# Allegro board S071AA-0413-20260427.brd

Outline 292.64 x 429.26 mm; copper layers: TOP, L02_DGND, L03_DIG, L04_DGND, L05_DIG, L06_DGND, L07_DIG, L08_DGND, L09_DPS, L10_DGND, L11_DPS, L12_DGND, L13_CBIT, L14_5V, L15_DGND, L16_DPS, L17_DGND, L18_DIG, L19_DGND, L20_DIG, L21_DGND, L22_DIG, L23_DGND, L24_DIG, L25_DGND, BOTTOM. Coordinates in mm from the lower left corner of the outline.

## Placement (name value [footprint] x y rotation side)
BDB4  BD120-3A-S8  [FB0805]  17.8 140.46 180 bottom
BDB5  BD120-3A-S8  [FB0805]  142.51 263.88 180 bottom
BDB6  BD120-3A-S8  [FB0805]  175.3 247.77 180 bottom
BDB7  BD120-3A-S8  [FB0805]  192.18 233.42 180 bottom
BDB8  BD120-3A-S8  [FB0805]  189.46 211.4 180 bottom
BDB9  BD120-3A-S8  [FB0805]  188.62 176.29 180 bottom
BDB10  BD120-3A-S8  [FB0805]  162.21 175.22 180 bottom
BDB13  BD120-3A-S8  [FB0805]  63.77 269.13 180 bottom
BDB14  BD120-3A-S8  [FB0805]  60.72 250.95 180 bottom
BDB15  BD120-3A-S8  [FB0805]  63.77 266.34 180 bottom
BDB16  BD120-3A-S8  [FB0805]  60.72 248.16 180 bottom
BDB17  BD120-3A-S8  [FB0805]  162.21 172.43 180 bottom
BDB18  BD120-3A-S8  [FB0805]  188.62 179.08 180 bottom
BDB19  BD120-3A-S8  [FB0805]  276.88 285.24 180 bottom
BDB20  BD120-3A-S8  [FB0805]  278.4 130.3 180 bottom
BDB21  BD120-3A-S8  [FB0805]  278.4 133.1 180 bottom
BDB22  BD120-3A-S8  [FB0805]  107.34 283.04 180 bottom
BDB23  BD120-3A-S8  [FB0805]  107.34 285.83 180 bottom
BDB24  BD120-3A-S8  [FB0805]  123.91 255.95 180 bottom
BDB25  BD120-3A-S8  [FB0805]  123.91 258.74 180 bottom
BDB26  BD120-3A-S8  [FB0805]  137.48 248.16 180 bottom
BDB27  BD120-3A-S8  [FB0805]  137.48 245.36 180 bottom
BDB28  BD120-3A-S8  [FB0805]  113.41 271.67 180 bottom
BDB29  BD120-3A-S8  [FB0805]  113.41 268.87 180 bottom
BDB30  BD120-3A-S8  [FB0805]  44.72 271.53 180 bottom
BDB31  BD120-3A-S8  [FB0805]  44.72 274.32 180 bottom
BDB32  BD120-3A-S8  [FB0805]  23.38 216.41 0 bottom
BDB33  BD120-3A-S8  [FB0805]  23.38 219.2 0 bottom
BDB34  BD120-3A-S8  [FB0805]  233.41 270.37 180 bottom
BDB35  BD120-3A-S8  [FB0805]  233.41 267.57 180 bottom
BDB36  BD120-3A-S8  [FB0805]  233.11 210.8 180 bottom
BDB37  BD120-3A-S8  [FB0805]  233.11 208.01 180 bottom
BDB38  BD120-3A-S8  [FB0805]  142.51 266.67 180 bottom
BDB39  BD120-3A-S8  [FB0805]  175.3 250.56 180 bottom
BDB40  BD120-3A-S8  [FB0805]  192.18 236.22 180 bottom
BDB41  BD120-3A-S8  [FB0805]  189.46 214.19 180 bottom
BDB42  BD120-3A-S8  [FB0805]  276.88 282.45 180 bottom
BDB43  BD120-3A-S8  [FB0805]  17.8 143.26 180 bottom
BDB44  BD120-3A-S8  [FB0805]  16.78 284.99 180 bottom
BDB45  BD120-3A-S8  [FB0805]  16.78 282.19 180 bottom
BGA289-12X12-P0.65  REF-CODE-SOCKET  [SOCKET_CODE]  231.41 215.9 0 top
C1  0.01U-16-X7R-S4-YA  [C0402]  178.87 202.62 270 bottom
C2  3.3U-10-X-S4-TDK  [C0402]  176.52 218.6 0 bottom
C3  10U-25-X7R-SA  [C1206]  234.71 279.15 180 bottom
C4  NC/10U-25-X7R-SA  [C1206]  239.79 279.15 0 bottom
C5  22U-16-X-SB  [C1210]  234.2 283.21 180 bottom
C6  NC/47U-16-X5R-SB-MU  [C1210]  240.3 288.29 0 bottom
C7  NC/100U-10-X5R-SB-MU  [C1210]  234.2 288.29 180 bottom
C8  NC/22U-16-X-SB  [C1210]  240.3 283.21 0 bottom
C9  0.1U-16-X-S2-TDK  [C0201]  177.6 202.69 270 bottom
C10  0.1U-16-X-S2-TDK  [C0201]  148.72 210.23 0 bottom
C11  0.1U-16-X-S2-TDK  [C0201]  143.92 210.23 180 bottom
C12  0.1U-16-X-S2-TDK  [C0201]  147.08 211.84 180 bottom
C13  0.1U-16-X-S2-TDK  [C0201]  145.52 210.23 0 bottom
C14  0.1U-16-X-S2-TDK  [C0201]  147.12 212.63 180 bottom
C15  0.1U-16-X-S2-TDK  [C0201]  145.45 211.84 0 bottom
C16  0.1U-16-X-S2-TDK  [C0201]  145.52 212.63 0 bottom
C17  0.1U-16-X-S2-TDK  [C0201]  142.32 210.23 0 bottom
C18  0.1U-16-X-S2-TDK  [C0201]  141.92 211.43 90 bottom
C19  0.1U-16-X-S2-TDK  [C0201]  148.32 213.83 90 bottom
C20  0.1U-16-X-S2-TDK  [C0201]  155.61 211.84 0 bottom
C21  0.1U-16-X-S2-TDK  [C0201]  141.92 215.43 90 bottom
C22  0.1U-16-X-S2-TDK  [C0201]  155.61 212.6 0 bottom
C23  0.1U-16-X-S2-TDK  [C0201]  155.61 213.36 0 bottom
C24  0.1U-16-X-S2-TDK  [C0201]  155.61 211.07 0 bottom
C25  0.1U-16-X-S2-TDK  [C0201]  150.32 211.03 180 bottom
C26  0.1U-16-X-S2-TDK  [C0201]  150.32 212.63 180 bottom
C27  0.1U-16-X-S2-TDK  [C0201]  150.32 210.23 180 bottom
C28  0.1U-16-X-S2-TDK  [C0201]  147.12 210.23 180 bottom
C29  0.1U-16-X-S2-TDK  [C0201]  150.32 211.83 180 bottom
C30  0.1U-16-X-S2-TDK  [C0201]  141.92 213.83 270 bottom
C31  0.1U-16-X-S2-TDK  [C0201]  141.92 217.03 270 bottom
C32  0.1U-16-X-S2-TDK  [C0201]  149.52 219.03 180 bottom
C33  0.1U-16-X-S2-TDK  [C0201]  141.92 218.63 90 bottom
C34  0.1U-16-X-S2-TDK  [C0201]  150.72 218.63 270 bottom
C35  0.1U-16-X-S2-TDK  [C0201]  147.92 219.03 0 bottom
C36  0.1U-16-X-S2-TDK  [C0201]  144.72 219.03 0 bottom
C37  0.1U-16-X-S2-TDK  [C0201]  143.12 219.03 180 bottom
C38  0.1U-16-X-S2-TDK  [C0201]  144.32 215.43 270 bottom
C39  0.1U-16-X-S2-TDK  [C0201]  147.52 213.83 90 bottom
C40  0.1U-16-X-S2-TDK  [C0201]  143.92 212.63 180 bottom
C41  0.1U-16-X-S2-TDK  [C0201]  145.12 213.83 90 bottom
C42  0.1U-16-X-S2-TDK  [C0201]  144.32 213.83 90 bottom
C43  0.1U-16-X-S2-TDK  [C0201]  143.92 216.63 180 bottom
C44  0.1U-16-X-S2-TDK  [C0201]  148.32 215.43 270 bottom
C45  0.1U-16-X-S2-TDK  [C0201]  148.72 216.63 0 bottom
C46  0.1U-16-X-S2-TDK  [C0201]  147.12 215.83 180 bottom
C47  0.1U-16-X-S2-TDK  [C0201]  147.12 216.63 180 bottom
C48  0.1U-16-X-S2-TDK  [C0201]  145.52 215.83 0 bottom
C49  0.1U-16-X-S2-TDK  [C0201]  145.52 216.63 0 bottom
C50  10U-25-X7R-SA  [C1206]  128.03 279.15 0 bottom
C51  NC/10U-25-X7R-SA  [C1206]  122.95 279.15 180 bottom
C52  22U-16-X-SB  [C1210]  128.54 283.21 0 bottom
C53  NC/47U-16-X5R-SB-MU  [C1210]  128.54 288.29 0 bottom
C54  NC/100U-10-X5R-SB-MU  [C1210]  122.44 288.29 180 bottom
C55  NC/22U-16-X-SB  [C1210]  122.44 283.21 180 bottom
C56  10U-25-X7R-SA  [C1206]  150.89 279.15 0 bottom
C57  22U-16-X-SB  [C1210]  151.4 283.21 0 bottom
C58  NC/10U-25-X7R-SA  [C1206]  145.81 279.15 180 bottom
C59  NC/47U-16-X5R-SB-MU  [C1210]  151.4 288.29 0 bottom
C60  NC/100U-10-X5R-SB-MU  [C1210]  145.3 288.29 180 bottom
C61  NC/22U-16-X-SB  [C1210]  145.3 283.21 180 bottom
C62  10U-25-X7R-SA  [C1206]  49.29 279.15 0 bottom
C63  22U-16-X-SB  [C1210]  49.8 283.21 0 bottom
C64  NC/10U-25-X7R-SA  [C1206]  44.21 279.15 180 bottom
C65  NC/47U-16-X5R-SB-MU  [C1210]  49.8 288.29 0 bottom
C66  NC/100U-10-X5R-SB-MU  [C1210]  43.7 288.29 180 bottom
C67  NC/22U-16-X-SB  [C1210]  43.7 283.21 180 bottom
C68  10U-25-X7R-SA  [C1206]  95.01 279.15 180 bottom
C69  22U-16-X-SB  [C1210]  94.5 283.21 180 bottom
C70  NC/10U-25-X7R-SA  [C1206]  100.09 279.15 0 bottom
C71  NC/47U-16-X5R-SB-MU  [C1210]  100.6 288.29 0 bottom
C72  NC/100U-10-X5R-SB-MU  [C1210]  94.5 288.29 180 bottom
C73  NC/22U-16-X-SB  [C1210]  100.6 283.21 0 bottom
C74  10U-25-X7R-SA  [C1206]  176.29 279.15 0 bottom
C75  22U-16-X-SB  [C1210]  176.8 283.21 0 bottom
C76  NC/10U-25-X7R-SA  [C1206]  171.21 279.15 180 bottom
C77  NC/47U-16-X5R-SB-MU  [C1210]  176.8 288.29 0 bottom
C78  NC/100U-10-X5R-SB-MU  [C1210]  170.7 288.29 180 bottom
C79  NC/22U-16-X-SB  [C1210]  170.7 283.21 180 bottom
C80  22U-16-X-SB  [C1210]  207.28 283.21 0 bottom
C81  10U-25-X7R-SA  [C1206]  206.77 279.15 0 bottom
C82  NC/10U-25-X7R-SA  [C1206]  201.69 279.15 180 bottom
C83  NC/47U-16-X5R-SB-MU  [C1210]  207.28 288.29 0 bottom
C84  NC/100U-10-X5R-SB-MU  [C1210]  201.18 288.29 180 bottom
C85  NC/22U-16-X-SB  [C1210]  201.18 283.21 180 bottom
CB1  0.1U-25-X-S6  [C0603]  85.09 132.84 270 bottom
CB2  10U-25-X7R-SA  [C1206]  22.88 297.94 270 bottom
CB3  0.1U-25-X-S6  [C0603]  191.53 134.37 270 bottom
CB4  10U-25-X7R-SA  [C1206]  193.84 133.86 270 bottom
CB5  0.1U-25-X-S6  [C0603]  263.16 289.98 270 bottom
CB6  10U-25-X7R-SA  [C1206]  265.47 289.47 270 bottom
CB7  0.1U-25-X-S6  [C0603]  20.57 298.45 270 bottom
CB8  10U-25-X7R-SA  [C1206]  87.39 132.33 270 bottom
CSDPS225  V93K_CSDPS_DPS32  [PG_VG93K_PF_DPS32_G8D225]  109.49 331.47 0 top
CSDPS226  V93K_CSDPS  [PG_VG93K_PF_DPS32_G8D226]  109.49 351.79 0 top
CSDPS229  V93K_CSDPS_DPS32  [PG_VG93K_PF_DPS32_G8D229]  35.83 331.47 0 top
CSDPS425  V93K_CSDPS_DPS32  [PG_VG93K_PF_DPS32_G8D425]  109.49 341.63 0 top
CSDPS426  V93K_CSDPS  [PG_VG93K_PF_DPS32_G8D426]  109.49 361.95 0 top
CSDPS429  V93K_CSDPS_DPS32  [PG_VG93K_PF_DPS32_G8D429]  35.83 341.63 0 top
D101  V93K_CH  [PG_VG93K_F_G1D101]  183.15 97.79 0 top
D102  V93K_CH  [PG_VG93K_F_G1D102]  183.15 77.47 0 top
D103  V93K_CH  [PG_VG93K_F_G1D103]  183.15 57.15 0 top
D104  V93K_CH  [PG_VG93K_F_G1D104]  183.15 36.83 0 top
D105  V93K_CH  [PG_VG93K_F_G1D105]  256.81 97.79 0 top
D106  V93K_CH  [PG_VG93K_F_G1D106]  256.81 77.47 0 top
D107  V93K_CH  [PG_VG93K_F_G1D107]  256.81 57.15 0 top
D108  V93K_CH  [PG_VG93K_F_G1D108]  256.81 36.83 0 top
D109  V93K_CH  [PG_VG93K_F_G2D109]  256.81 331.47 0 top
D110  V93K_CH  [PG_VG93K_F_G2D110]  256.81 351.79 0 top
D111  V93K_CH  [PG_VG93K_F_G2D111]  256.81 372.11 0 top
D112  V93K_CH  [PG_VG93K_F_G2D112]  256.81 392.43 0 top
D113  V93K_CH  [PG_VG93K_F_G2D113]  183.15 331.47 0 top
D114  V93K_CH  [PG_VG93K_F_G2D114]  183.15 351.79 0 top
D115  V93K_CH  [PG_VG93K_F_G2D115]  183.15 372.11 0 top
D116  V93K_CH  [PG_VG93K_F_G2D116]  183.15 392.43 0 top
D117  V93K_CH  [PG_VG93K_F_G3D117]  35.83 97.79 0 top
D118  V93K_CH  [PG_VG93K_F_G3D118]  35.83 77.47 0 top
D119  V93K_CH  [PG_VG93K_F_G3D119]  35.83 57.15 0 top
D120  V93K_CH  [PG_VG93K_F_G3D120]  35.83 36.83 0 top
D121  V93K_CH  [PG_VG93K_F_G3D121]  109.49 97.79 0 top
D122  V93K_CH  [PG_VG93K_F_G3D122]  109.49 77.47 0 top
D123  V93K_CH  [PG_VG93K_F_G3D123]  109.49 57.15 0 top
D124  V93K_CH  [PG_VG93K_F_G3D124]  109.49 36.83 0 top
D227  V93K_CH  [PG_VG93K_F_G8D227]  109.49 372.11 0 top
D228  V93K_CH  [PG_VG93K_F_G8D228]  109.49 392.43 0 top
D231  V93K_CH  [PG_VG93K_F_G8D231]  35.83 372.11 0 top
D232  V93K_CH  [PG_VG93K_F_G8D232]  35.83 392.43 0 top
D301  V93K_CH  [PG_VG93K_F_PS1600SD_G1_ND]  183.15 87.63 0 top
D302  V93K_CH  [PG_VG93K_F_PS1600SD_G1_ND]  183.15 67.31 0 top
D303  V93K_CH  [PG_VG93K_F_PS1600SD_G1_ND]  183.15 46.99 0 top
D304  V93K_CH  [PG_VG93K_F_PS1600SD_G1_ND]  183.15 26.67 0 top
D305  V93K_CH  [PG_VG93K_F_PS1600SD_G1_ND]  256.81 87.63 0 top
D306  V93K_CH  [PG_VG93K_F_PS1600SD_G1_ND]  256.81 67.31 0 top
D307  V93K_CH  [PG_VG93K_F_PS1600SD_G1_ND]  256.81 46.99 0 top
D308  V93K_CH  [PG_VG93K_F_PS1600SD_G1_ND]  256.81 26.67 0 top
D309  V93K_CH  [PG_VG93K_F_PS1600SD_G2_ND]  256.81 341.63 0 top
D310  V93K_CH  [PG_VG93K_F_PS1600SD_G2_ND]  256.81 361.95 0 top
D311  V93K_CH  [PG_VG93K_F_PS1600SD_G2_ND]  256.81 402.59 0 top
D312  V93K_CH  [PG_VG93K_F_PS1600SD_G2_ND]  256.81 382.27 0 top
D313  V93K_CH  [PG_VG93K_F_PS1600SD_G2_ND]  183.15 341.63 0 top
D314  V93K_CH  [PG_VG93K_F_PS1600SD_G2_ND]  183.15 361.95 0 top
D315  V93K_CH  [PG_VG93K_F_PS1600SD_G2_ND]  183.15 382.27 0 top
D316  V93K_CH  [PG_VG93K_F_PS1600SD_G2_ND]  183.15 402.59 0 top
D317  V93K_CH  [PG_VG93K_F_PS1600SD_G3_ND]  35.83 87.63 0 top
D318  V93K_CH  [PG_VG93K_F_PS1600SD_G3_ND]  35.83 67.31 0 top
D319  V93K_CH  [PG_VG93K_F_PS1600SD_G3_ND]  35.83 46.99 0 top
D320  V93K_CH  [PG_VG93K_F_PS1600SD_G3_ND]  35.83 26.67 0 top
D321  V93K_CH  [PG_VG93K_F_PS1600SD_G3_ND]  109.49 87.63 0 top
D322  V93K_CH  [PG_VG93K_F_PS1600SD_G3_ND]  109.49 67.31 0 top
D323  V93K_CH  [PG_VG93K_F_PS1600SD_G3_ND]  109.49 46.99 0 top
D324  V93K_CH  [PG_VG93K_F_PS1600SD_G3_ND]  109.49 26.67 0 top
D427  V93K_CH  [PG_VG93K_F_G8D427]  109.49 382.27 0 top
D428  V93K_CH  [PG_VG93K_F_G8D428]  109.49 402.59 0 top
D431  V93K_CH  [PG_VG93K_F_G8D431]  35.83 382.27 0 top
D432  V93K_CH  [PG_VG93K_F_G8D432]  35.83 402.59 0 top
DPS1  V93K_DPS  [PG_VG93K_F_G1DPS1]  256.81 16.51 0 top
DPS2  V93K_DPS  [PG_VG93K_F_G2DPS2]  183.15 412.75 0 top
DPS3  V93K_DPS  [PG_VG93K_F_G3DPS3]  109.49 16.51 0 top
DPS8  V93K_DPS  [PG_VG93K_F_G8DPS8]  35.83 412.75 0 top
FD1  FD_040  [FD_040_V2]  18.05 134.62 0 top
FD2  FD_040  [FD_040_V2]  272.05 138.43 0 top
FD3  FD_040  [FD_040_V2]  16.78 292.1 0 top
FD4  FD_040  [FD_040_V2]  277.13 294.64 0 top
FD5  FD_040  [FD_040_V2]  18.05 134.62 180 bottom
FD6  FD_040  [FD_040_V2]  272.05 138.43 180 bottom
FD7  FD_040  [FD_040_V2]  16.78 292.1 180 bottom
FD8  FD_040  [FD_040_V2]  277.13 294.64 180 bottom
FD9  FD_040  [FD_040_V2]  16.78 163.83 0 top
FD10  FD_040  [FD_040_V2]  275.86 265.43 180 bottom
FD11  FD_040  [FD_040_V2]  275.86 163.83 180 bottom
FD12  FD_040  [FD_040_V2]  16.78 163.83 180 bottom
FD13  FD_040  [FD_040_V2]  16.78 265.43 180 bottom
FD14  FD_040  [FD_040_V2]  275.86 163.83 0 top
FD15  FD_040  [FD_040_V2]  16.78 265.43 0 top
FD16  FD_040  [FD_040_V2]  275.86 265.43 0 top
FSS0AS071A  REF-CODE-CHIP  [CHIP_CODE]  231.41 213.36 0 top
H1  M3-HOLE  [M3_NPTH169]  277.13 185.42 0 top
H2  M3-HOLE  [M3_NPTH169]  18.05 246.38 0 top
H3  M3-HOLE  [M3_NPTH169]  18.05 185.42 0 top
H4  M3-HOLE  [M3_NPTH169]  275.86 242.57 0 top
JG-250905AA011  REF-CODE-SOCKET  [SOCKET_CODE]  231.16 208.03 0 top
K1  2911-05-321-A-V2  [RL_COTO2911_5V_RLPIN]  99.58 186.94 0 bottom
K2  2911-05-321-A-V2  [RL_COTO2911_5V_RLPIN]  75.96 186.94 0 bottom
K3  2911-05-321-A-V2  [RL_COTO2911_5V_RLPIN]  52.34 186.94 0 bottom
K4  2911-05-321-A-V2  [RL_COTO2911_5V_RLPIN]  28.72 209.8 0 bottom
K5  2911-05-321-A-V2  [RL_COTO2911_5V_RLPIN]  28.72 202.18 0 bottom
K6  2911-05-321-A-V2  [RL_COTO2911_5V_RLPIN]  28.72 194.56 0 bottom
K7  2911-05-321-A-V2  [RL_COTO2911_5V_RLPIN]  52.34 209.8 0 bottom
K8  2911-05-321-A-V2  [RL_COTO2911_5V_RLPIN]  52.34 202.18 0 bottom
K9  2911-05-321-A-V2  [RL_COTO2911_5V_RLPIN]  52.34 194.56 0 bottom
K10  2911-05-321-A-V2  [RL_COTO2911_5V_RLPIN]  75.96 194.56 0 bottom
K11  2911-05-321-A-V2  [RL_COTO2911_5V_RLPIN]  99.58 194.56 0 bottom
K12  2911-05-321-A-V2  [RL_COTO2911_5V_RLPIN]  75.96 202.18 0 bottom
K13  2911-05-321-A-V2  [RL_COTO2911_5V_RLPIN]  99.58 202.18 0 bottom
K14  2911-05-321-A-V2  [RL_COTO2911_5V_RLPIN]  75.96 209.8 0 bottom
K15  2911-05-321-A-V2  [RL_COTO2911_5V_RLPIN]  99.58 209.8 0 bottom
K16  2911-05-321-A-V2  [RL_COTO2911_5V_RLPIN]  28.72 186.94 0 bottom
K17  2911-05-321-A-V2  [RL_COTO2911_5V_RLPIN]  28.72 217.42 0 bottom
K18  2911-05-321-A-V2  [RL_COTO2911_5V_RLPIN]  52.34 217.42 0 bottom
K19  2911-05-321-A-V2  [RL_COTO2911_5V_RLPIN]  75.96 217.42 0 bottom
K20  2911-05-321-A-V2  [RL_COTO2911_5V_RLPIN]  99.58 217.42 0 bottom
K21  2911-05-321-A-V2  [RL_COTO2911_5V_RLPIN]  28.72 225.04 0 bottom
K22  2911-05-321-A-V2  [RL_COTO2911_5V_RLPIN]  52.34 225.04 0 bottom
K23  2911-05-321-A-V2  [RL_COTO2911_5V_RLPIN]  75.96 225.04 0 bottom
K24  2911-05-321-A-V2  [RL_COTO2911_5V_RLPIN]  99.58 225.04 0 bottom
K25  2911-05-321-A-V2  [RL_COTO2911_5V_RLPIN]  28.72 232.66 0 bottom
K26  2911-05-321-A-V2  [RL_COTO2911_5V_RLPIN]  52.34 232.66 0 bottom
K27  2911-05-321-A-V2  [RL_COTO2911_5V_RLPIN]  75.96 232.66 0 bottom
K28  2911-05-321-A-V2  [RL_COTO2911_5V_RLPIN]  99.58 232.66 0 bottom
K29  2911-05-321-A-V2  [RL_COTO2911_5V_RLPIN]  28.72 240.28 0 bottom
K30  2911-05-321-A-V2  [RL_COTO2911_5V_RLPIN]  52.34 240.28 0 bottom
K31  2911-05-321-A-V2  [RL_COTO2911_5V_RLPIN]  75.96 240.28 0 bottom
K32  2911-05-321-A-V2  [RL_COTO2911_5V_RLPIN]  99.58 240.28 0 bottom
K33  2911-05-321-A-V2  [RL_COTO2911_5V_RLPIN]  115.59 161.8 90 bottom
K34  2911-05-321-A-V2  [RL_COTO2911_5V_RLPIN]  138.45 161.8 90 bottom
K35  2911-05-321-A-V2  [RL_COTO2911_5V_RLPIN]  115.59 138.68 90 bottom
K36  2911-05-321-A-V2  [RL_COTO2911_5V_RLPIN]  138.45 138.43 90 bottom
K37  2911-05-321-A-V2  [RL_COTO2911_5V_RLPIN]  123.21 161.8 90 bottom
K38  2911-05-321-A-V2  [RL_COTO2911_5V_RLPIN]  146.07 161.8 90 bottom
K39  2911-05-321-A-V2  [RL_COTO2911_5V_RLPIN]  123.21 138.68 90 bottom
K40  2911-05-321-A-V2  [RL_COTO2911_5V_RLPIN]  146.07 138.43 90 bottom
K41  2911-05-321-A-V2  [RL_COTO2911_5V_RLPIN]  130.83 161.8 90 bottom
K42  2911-05-321-A-V2  [RL_COTO2911_5V_RLPIN]  153.69 161.8 90 bottom
K43  2911-05-321-A-V2  [RL_COTO2911_5V_RLPIN]  130.83 138.68 90 bottom
K44  2911-05-321-A-V2  [RL_COTO2911_5V_RLPIN]  153.69 138.43 90 bottom
K45  UA2-5NJ-A-V3  [RL_NECUA2_5V_V3]  177.82 207.52 0 bottom
K46  UA2-5NJ-A-V3  [RL_NECUA2_5V_V3]  177.82 214.63 0 bottom
KB1-2  TP03-D  [TP_060_040]  32.53 133.86 0 top
KB1-3  TP03-D  [TP_060_040]  32.02 137.92 0 top
KB1-4  TP03-D  [TP_060_040]  34.56 141.48 0 top
KB1-6  TP03-D  [TP_060_040]  41.67 141.48 0 top
KB1-7  TP03-D  [TP_060_040]  44.21 137.92 0 top
KB1-8  TP03-D  [TP_060_040]  43.7 133.86 0 top
KB2-2  TP03-D  [TP_060_040]  50.82 133.86 0 top
KB2-3  TP03-D  [TP_060_040]  50.31 137.92 0 top
KB2-4  TP03-D  [TP_060_040]  52.85 141.48 0 top
KB2-6  TP03-D  [TP_060_040]  59.96 141.48 0 top
KB2-7  TP03-D  [TP_060_040]  62.5 137.92 0 top
KB2-8  TP03-D  [TP_060_040]  61.99 133.86 0 top
KB3-4  TP03-D  [TP_060_040]  59.45 151.64 0 top
KB3-5  TP03-D  [TP_060_040]  59.45 149.1 0 top
KB3-8  TP03-D  [TP_060_040]  34.56 149.1 0 top
KB4-4  TP03-D  [TP_060_040]  59.45 159.26 0 top
KB4-5  TP03-D  [TP_060_040]  59.45 156.72 0 top
KB4-8  TP03-D  [TP_060_040]  34.56 156.72 0 top
KS1  NC/712D-5-V2  [RL_712D_5V_V2]  38.12 136.4 180 bottom
KS2  NC/712D-5-V2  [RL_712D_5V_V2]  56.4 136.4 180 bottom
KS3  NC/2911-05-321-A  [RL_COTO2911_5V_RLPIN]  55.9 151.64 180 bottom
KS4  NC/2911-05-321-A  [RL_COTO2911_5V_RLPIN]  55.9 159.26 180 bottom
LD1  LDG-2-S6  [LED_0603]  111.01 184.4 180 top
LD2  LDG-2-S6  [LED_0603]  87.39 184.4 180 top
LD3  LDG-2-S6  [LED_0603]  63.77 184.4 180 top
LD4  LDG-2-S6  [LED_0603]  40.15 207.26 180 top
LD5  LDG-2-S6  [LED_0603]  40.15 199.64 180 top
LD6  LDG-2-S6  [LED_0603]  40.15 192.02 180 top
LD7  LDG-2-S6  [LED_0603]  63.77 207.26 180 top
LD8  LDG-2-S6  [LED_0603]  63.77 199.64 180 top
LD9  LDG-2-S6  [LED_0603]  63.77 192.02 180 top
LD10  LDG-2-S6  [LED_0603]  87.39 192.02 180 top
LD11  LDG-2-S6  [LED_0603]  111.01 192.02 180 top
LD12  LDG-2-S6  [LED_0603]  87.39 199.64 180 top
LD13  LDG-2-S6  [LED_0603]  111.01 199.64 180 top
LD14  LDG-2-S6  [LED_0603]  87.39 207.26 180 top
LD15  LDG-2-S6  [LED_0603]  111.01 207.26 180 top
LD16  LDG-2-S6  [LED_0603]  40.15 184.4 180 top
LD17  LDG-2-S6  [LED_0603]  40.15 214.88 180 top
LD18  LDG-2-S6  [LED_0603]  63.77 214.88 180 top
LD19  LDG-2-S6  [LED_0603]  87.39 214.88 180 top
LD20  LDG-2-S6  [LED_0603]  111.01 214.88 180 top
LD21  LDG-2-S6  [LED_0603]  40.15 222.5 180 top
LD22  LDG-2-S6  [LED_0603]  63.77 222.5 180 top
LD23  LDG-2-S6  [LED_0603]  87.39 222.5 180 top
LD24  LDG-2-S6  [LED_0603]  111.01 222.5 180 top
LD25  LDG-2-S6  [LED_0603]  40.15 230.12 180 top
LD26  LDG-2-S6  [LED_0603]  63.77 230.12 180 top
LD27  LDG-2-S6  [LED_0603]  87.39 230.12 180 top
LD28  LDG-2-S6  [LED_0603]  111.01 230.12 180 top
LD29  LDG-2-S6  [LED_0603]  40.15 237.74 180 top
LD30  LDG-2-S6  [LED_0603]  63.77 237.74 180 top
LD31  LDG-2-S6  [LED_0603]  87.39 237.74 180 top
LD32  LDG-2-S6  [LED_0603]  111.01 237.74 180 top
LD33  LDG-2-S6  [LED_0603]  118.13 173.23 270 top
LD34  LDG-2-S6  [LED_0603]  140.99 173.23 270 top
LD35  LDG-2-S6  [LED_0603]  118.13 150.11 270 top
LD36  LDG-2-S6  [LED_0603]  140.99 149.86 270 top
LD37  LDG-2-S6  [LED_0603]  125.75 173.23 270 top
LD38  LDG-2-S6  [LED_0603]  148.61 173.23 270 top
LD39  LDG-2-S6  [LED_0603]  125.75 150.11 270 top
LD40  LDG-2-S6  [LED_0603]  148.61 149.86 270 top
LD41  LDG-2-S6  [LED_0603]  133.37 173.23 270 top
LD42  LDG-2-S6  [LED_0603]  156.23 173.23 270 top
LD43  LDG-2-S6  [LED_0603]  133.37 150.11 270 top
LD44  LDG-2-S6  [LED_0603]  156.23 149.86 270 top
LD45  LDG-2-S6  [LED_0603]  184.17 209.04 270 top
LD46  LDG-2-S6  [LED_0603]  184.13 215.81 270 top
LDB1  LDG-2-S8  [LED_0805]  96.54 131.83 270 top
LDB2  LDG-2-S6  [LED_0603]  39.13 130.81 180 top
LDB3  LDG-2-S6  [LED_0603]  57.42 130.81 180 top
LDB4  LDG-2-S6  [LED_0603]  44.21 154.18 0 top
LDB5  LDG-2-S6  [LED_0603]  44.21 161.8 0 top
LOGO1  -  [LOGO_KT_KSMT]  228.36 223.52 0 top
LOGO2  LOGO_FY_Faraday  [LOGO_FY_FARADAY]  223.54 158.75 0 top
LRB1  330-1-S6  [R0603]  94 131.83 90 top
LRB2  470-1-S4  [R0402_UNBGA_V2]  36.59 130.81 0 top
LRB3  470-1-S4  [R0402_UNBGA_V2]  54.88 130.81 0 top
LRB4  470-1-S4  [R0402_UNBGA_V2]  48.28 154.18 180 top
LRB5  470-1-S4  [R0402_UNBGA_V2]  48.28 161.8 180 top
M5  V93K-TOUCHSENSOR-FY  [V93K_TOUCHSENSOR_FY]  146.32 214.63 0 top
NOREF  -  []  138.72 222.23 0 top
NOREF#2  -  []  52.34 286.26 90 top
NOREF#3  -  []  134.32 202.63 90 top
NOREF#4  -  []  125.1 171.83 0 top
NOREF#5  -  []  155.58 171.83 0 top
NOREF#6  -  []  146.12 215.51 90 top
NOREF#7  -  []  148.61 172.48 90 top
NOREF#8  -  []  48.28 288.29 0 top
NOREF#9  -  []  42.18 288.29 0 top
NOREF#10  -  []  49.07 161.41 90 top
NOREF#11  -  []  117.68 149.26 0 top
NOREF#12  -  []  141.44 149.01 90 top
NOREF#13  -  []  198.64 286.26 90 top
NOREF#14  -  []  155.01 211.52 0 top
NOREF#15  -  []  41.16 286.26 90 top
NOREF#16  -  []  29.05 297.94 0 top
NOREF#17  -  []  43.46 161.8 0 top
NOREF#18  -  []  127.02 288.29 0 top
NOREF#19  -  []  110.16 206.81 90 top
NOREF#20  -  []  91.96 290.32 0 top
NOREF#21  -  []  174.26 281.18 0 top
NOREF#22  -  []  146.82 212.63 0 top
NOREF#23  -  []  142.52 218.71 90 top
NOREF#24  -  []  86.54 214.43 90 top
NOREF#25  -  []  143.32 216.31 90 top
NOREF#26  -  []  149.88 283.21 0 top
NOREF#27  -  []  183.68 214.96 0 top
NOREF#28  -  []  125.3 149.26 0 top
NOREF#29  -  []  144 214.83 90 top
NOREF#30  -  []  62.37 191.37 90 top
NOREF#31  -  []  148.12 216.31 0 top
NOREF#32  -  []  141.92 211.13 90 top
NOREF#33  -  []  91.96 281.18 90 top
NOREF#34  -  []  177.28 202.09 90 top
NOREF#35  -  []  148.32 215.13 90 top
NOREF#36  -  []  277.13 86.36 90 top
NOREF#37  -  []  86.64 230.12 0 top
NOREF#38  -  []  141.6 216.43 0 top
NOREF#39  -  []  121.32 186.63 90 top
NOREF#40  -  []  150.02 211.83 0 top
NOREF#41  -  []  110.26 192.02 0 top
NOREF#42  -  []  110.16 183.95 0 top
NOREF#43  -  []  155.31 213.36 0 top
NOREF#44  -  []  118.13 149.36 90 top
NOREF#45  -  []  203.47 66.04 90 top
NOREF#46  -  []  236.49 88.9 0 top
NOREF#47  -  []  165.37 50.8 0 top
NOREF#48  -  []  125.75 172.48 90 top
NOREF#49  -  []  145.44 213.23 90 top
NOREF#50  -  []  109.61 229.47 90 top
NOREF#51  -  []  110.26 199.64 0 top
NOREF#52  -  []  238.78 283.21 0 top
NOREF#53  -  []  140.99 149.11 90 top
NOREF#54  -  []  119.9 285.24 0 top
NOREF#55  -  []  153.94 286.26 90 top
NOREF#56  -  []  125.1 148.71 0 top
NOREF#57  -  []  148 214.43 0 top
NOREF#58  -  []  56.57 130.36 0 top
NOREF#59  -  []  184.17 208.29 90 top
NOREF#60  -  []  174.32 200.97 90 top
NOREF#61  -  []  165.37 91.44 0 top
NOREF#62  -  []  147.84 213.23 90 top
NOREF#63  -  []  144.92 212.31 0 top
NOREF#64  -  []  156.21 213.04 90 top
NOREF#65  -  []  54.45 130.81 0 top
NOREF#66  -  []  47.26 281.18 0 top
NOREF#67  -  []  138.72 207.03 90 top
NOREF#68  -  []  191.08 135.22 0 top
NOREF#69  -  []  39.3 206.81 90 top
NOREF#70  -  []  144 214.43 0 top
NOREF#71  -  []  236.49 48.26 0 top
NOREF#72  -  []  156.21 212.28 90 top
NOREF#73  -  []  63.02 184.4 0 top
NOREF#74  -  []  84.64 133.69 0 top
NOREF#75  -  []  147.96 148.46 0 top
NOREF#76  -  []  142.24 214.83 90 top
NOREF#77  -  []  149.32 216.31 90 top
NOREF#78  -  []  109.61 237.09 90 top
NOREF#79  -  []  183.52 207.64 0 top
NOREF#80  -  []  148.42 216.63 0 top
NOREF#81  -  []  199.66 283.21 0 top
NOREF#82  -  []  148.86 281.18 0 top
NOREF#83  -  []  130.32 198.63 90 top
NOREF#84  -  []  141.72 209.91 0 top
NOREF#85  -  []  145.22 212.63 0 top
NOREF#86  -  []  62.92 199.19 90 top
NOREF#87  -  []  109.61 221.85 90 top
NOREF#88  -  []  86.64 184.4 0 top
NOREF#89  -  []  231.66 285.24 0 top
NOREF#90  -  []  304.32 293.63 0 top
NOREF#91  -  []  149.72 211.35 0 top
NOREF#92  -  []  85.99 237.09 90 top
NOREF#93  -  []  110.16 199.19 90 top
NOREF#94  -  []  146.52 209.91 90 top
NOREF#95  -  []  149.72 210.71 90 top
NOREF#96  -  []  -23.68 303.63 0 top
NOREF#97  -  []  144.8 214.43 0 top
NOREF#98  -  []  172.17 204.52 0 top
NOREF#99  -  []  142.76 290.32 0 top
NOREF#100  -  []  63.02 214.88 0 top
NOREF#101  -  []  86.54 206.81 90 top
NOREF#102  -  []  165.37 30.48 0 top
NOREF#103  -  []  146.52 212.95 0 top
NOREF#104  -  []  110.16 191.57 0 top
NOREF#105  -  []  126 281.18 0 top
NOREF#106  -  []  86.54 191.57 90 top
NOREF#107  -  []  146.52 216.15 0 top
NOREF#108  -  []  140.34 171.83 0 top
NOREF#109  -  []  173.82 209.12 0 top
NOREF#110  -  []  41.16 285.24 0 top
NOREF#111  -  []  199.66 288.29 0 top
NOREF#112  -  []  149.72 209.91 90 top
NOREF#113  -  []  149.88 288.29 0 top
NOREF#114  -  []  183.07 211.63 90 top
NOREF#115  -  []  237.76 286.26 0 top
NOREF#116  -  []  97.54 130.03 90 top
NOREF#117  -  []  125.32 193.63 90 top
NOREF#118  -  []  178.22 216.23 0 top
NOREF#119  -  []  39.3 191.57 0 top
NOREF#120  -  []  149.32 209.91 90 top
NOREF#121  -  []  63.02 207.26 0 top
NOREF#122  -  []  142.76 281.18 90 top
NOREF#123  -  []  148.64 213.23 90 top
NOREF#124  -  []  62.92 183.95 90 top
NOREF#125  -  []  110.16 199.19 0 top
NOREF#126  -  []  119.9 281.18 90 top
NOREF#127  -  []  181.42 213.03 90 top
NOREF#128  -  []  147.32 218.71 0 top
NOREF#129  -  []  172.82 203.82 0 top
NOREF#130  -  []  146.12 216.31 90 top
NOREF#131  -  []  156.23 149.11 90 top
NOREF#132  -  []  91.96 285.24 0 top
NOREF#133  -  []  29.05 298.96 0 top